# Altium PCB GridSeed_Rev04.PcbDoc (part 1 of 6) (continued)
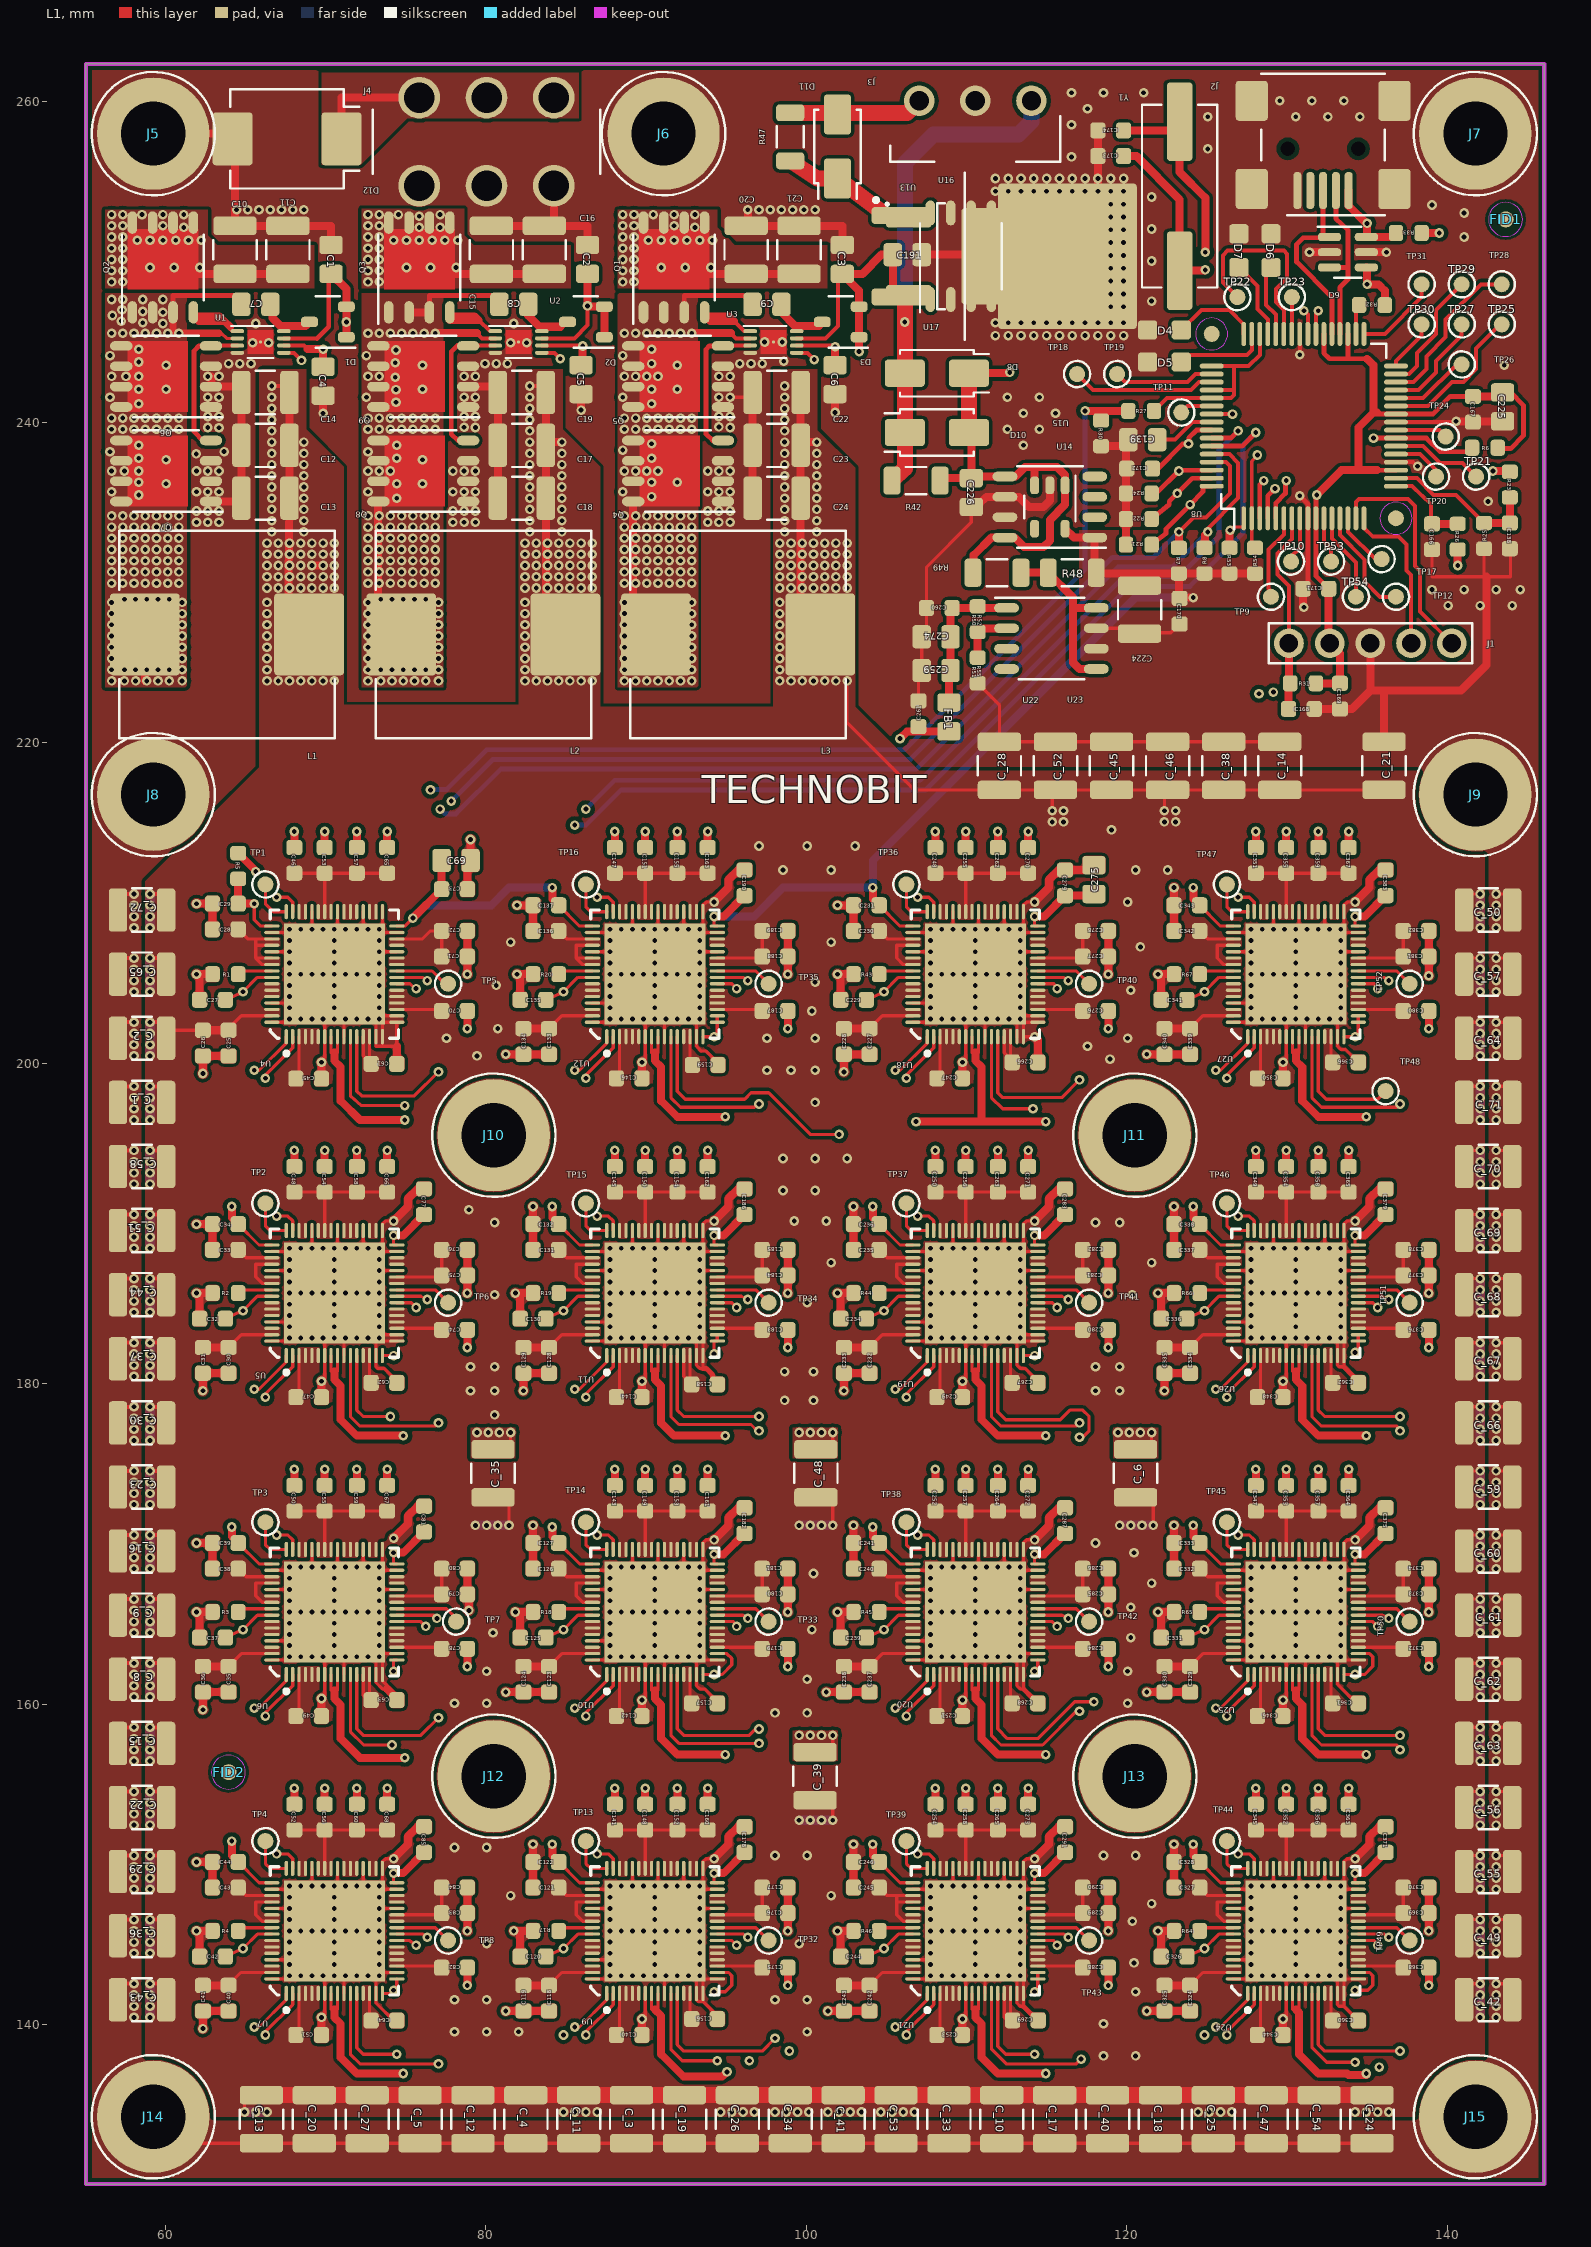
[diagram p0: L1 view]
## Design rules (kind name [scope] priority, off if disabled: settings) (continued)
PolygonConnect "Polygon Connect Style - L4 Square-rect thru-hole pad from global defaults" [IsPad And OnMultiLayer And (PadShape_BottomLayer = 'Rounded Rectangle') And (PadXSize_BottomLayer = PADYSize_BottomLayer) And (Pad_CornerRadius_BottomLayer = '0%') vs Layer = 'L4'] p35: connectstyle=Relief reliefconductorwidth=0.5 reliefentries=4 polygonreliefangle="90 Angle" airgapwidth=0.254
PolygonConnect "Polygon Connect Style - L3 Rect thru-hole pad from global defaults" [IsPad And OnMultiLayer And ((PadShape_MidLayer2 = 'Rectangular') Or (PadShape_MidLayer2 = 'Octagonal') Or (PadShape_MidLayer2 = 'Rounded Rectangle')) And (PadXSize_MidLayer2 <> PADYSize_MidLayer2) vs Layer = 'L3'] p36: connectstyle=Relief reliefconductorwidth=0.5 reliefentries=4 polygonreliefangle="90 Angle" airgapwidth=0.254
PolygonConnect "Polygon Connect Style - L3 Square-rect thru-hole pad from global defaults" [IsPad And OnMultiLayer And (PadShape_MidLayer2 = 'Rounded Rectangle') And (PadXSize_MidLayer2 = PADYSize_MidLayer2) And (Pad_CornerRadius_MidLayer2 = '0%') vs Layer = 'L3'] p37: connectstyle=Relief reliefconductorwidth=0.5 reliefentries=4 polygonreliefangle="90 Angle" airgapwidth=0.254
PolygonConnect "Polygon Connect Style - L2 Rect thru-hole pad from global defaults" [IsPad And OnMultiLayer And ((PadShape_MidLayer1 = 'Rectangular') Or (PadShape_MidLayer1 = 'Octagonal') Or (PadShape_MidLayer1 = 'Rounded Rectangle')) And (PadXSize_MidLayer1 <> PADYSize_MidLayer1) vs Layer = 'L2'] p38: connectstyle=Relief reliefconductorwidth=0.5 reliefentries=4 polygonreliefangle="90 Angle" airgapwidth=0.254
PolygonConnect "Polygon Connect Style - L2 Square-rect thru-hole pad from global defaults" [IsPad And OnMultiLayer And (PadShape_MidLayer1 = 'Rounded Rectangle') And (PadXSize_MidLayer1 = PADYSize_MidLayer1) And (Pad_CornerRadius_MidLayer1 = '0%') vs Layer = 'L2'] p39: connectstyle=Relief reliefconductorwidth=0.5 reliefentries=4 polygonreliefangle="90 Angle" airgapwidth=0.254
PolygonConnect "Polygon Connect Style - L1 Rect thru-hole pad from global defaults" [IsPad And OnMultiLayer And ((PadShape_TopLayer = 'Rectangular') Or (PadShape_TopLayer = 'Octagonal') Or (PadShape_TopLayer = 'Rounded Rectangle')) And (PadXSize_TopLayer <> PADYSize_TopLayer) vs Layer = 'L1'] p40: connectstyle=Relief reliefconductorwidth=0.5 reliefentries=4 polygonreliefangle="90 Angle" airgapwidth=0.254
PolygonConnect "Polygon Connect Style - L1 Square-rect thru-hole pad from global defaults" [IsPad And OnMultiLayer And (PadShape_TopLayer = 'Rounded Rectangle') And (PadXSize_TopLayer = PADYSize_TopLayer) And (Pad_CornerRadius_TopLayer = '0%') vs Layer = 'L1'] p41: connectstyle=Relief reliefconductorwidth=0.5 reliefentries=4 polygonreliefangle="90 Angle" airgapwidth=0.254
PolygonConnect "Polygon Connect Style - L4 Oval thru-hole pad from global defaults" [IsPad And OnMultiLayer And (PadShape_BottomLayer = 'Round') And (PadXSize_BottomLayer <> PADYSize_BottomLayer) vs Layer = 'L4'] p42: connectstyle=Relief reliefconductorwidth=0.5 reliefentries=4 polygonreliefangle="90 Angle" airgapwidth=0.254
PolygonConnect "Polygon Connect Style - L4 Round-oval thru-hole pad from global defaults" [IsPad And OnMultiLayer And (PadShape_BottomLayer = 'Rounded Rectangle') And (PadXSize_BottomLayer = PADYSize_BottomLayer) And (Pad_CornerRadius_BottomLayer = '100%') vs Layer = 'L4'] p43: connectstyle=Relief reliefconductorwidth=0.5 reliefentries=4 polygonreliefangle="90 Angle" airgapwidth=0.254
PolygonConnect "Polygon Connect Style - L3 Oval thru-hole pad from global defaults" [IsPad And OnMultiLayer And (PadShape_MidLayer2 = 'Round') And (PadXSize_MidLayer2 <> PADYSize_MidLayer2) vs Layer = 'L3'] p44: connectstyle=Relief reliefconductorwidth=0.5 reliefentries=4 polygonreliefangle="90 Angle" airgapwidth=0.254
PolygonConnect "Polygon Connect Style - L3 Round-oval thru-hole pad from global defaults" [IsPad And OnMultiLayer And (PadShape_MidLayer2 = 'Rounded Rectangle') And (PadXSize_MidLayer2 = PADYSize_MidLayer2) And (Pad_CornerRadius_MidLayer2 = '100%') vs Layer = 'L3'] p45: connectstyle=Relief reliefconductorwidth=0.5 reliefentries=4 polygonreliefangle="90 Angle" airgapwidth=0.254
PolygonConnect "Polygon Connect Style - L2 Oval thru-hole pad from global defaults" [IsPad And OnMultiLayer And (PadShape_MidLayer1 = 'Round') And (PadXSize_MidLayer1 <> PADYSize_MidLayer1) vs Layer = 'L2'] p46: connectstyle=Relief reliefconductorwidth=0.5 reliefentries=4 polygonreliefangle="90 Angle" airgapwidth=0.254
PolygonConnect "Polygon Connect Style - L2 Round-oval thru-hole pad from global defaults" [IsPad And OnMultiLayer And (PadShape_MidLayer1 = 'Rounded Rectangle') And (PadXSize_MidLayer1 = PADYSize_MidLayer1) And (Pad_CornerRadius_MidLayer1 = '100%') vs Layer = 'L2'] p47: connectstyle=Relief reliefconductorwidth=0.5 reliefentries=4 polygonreliefangle="90 Angle" airgapwidth=0.254
PolygonConnect "Polygon Connect Style - L1 Oval thru-hole pad from global defaults" [IsPad And OnMultiLayer And (PadShape_TopLayer = 'Round') And (PadXSize_TopLayer <> PADYSize_TopLayer) vs Layer = 'L1'] p48: connectstyle=Relief reliefconductorwidth=0.5 reliefentries=4 polygonreliefangle="90 Angle" airgapwidth=0.254
PolygonConnect "Polygon Connect Style - L1 Round-oval thru-hole pad from global defaults" [IsPad And OnMultiLayer And (PadShape_TopLayer = 'Rounded Rectangle') And (PadXSize_TopLayer = PADYSize_TopLayer) And (Pad_CornerRadius_TopLayer = '100%') vs Layer = 'L1'] p49: connectstyle=Relief reliefconductorwidth=0.5 reliefentries=4 polygonreliefangle="90 Angle" airgapwidth=0.254
PolygonConnect [All] p50: connectstyle=Relief reliefconductorwidth=0.254 reliefentries=4 polygonreliefangle="90 Angle" airgapwidth=0.254
RoutingLayers "'Default' PADS rule_3" [All] p1: top layer_v5=TRUE mid layer 1_v5=TRUE mid layer 2_v5=TRUE bottom layer_v5=TRUE
RoutingPriority "'Default' PADS rule_2" [All] p1: routingpriority=3
RoutingTopology "'Default' PADS rule" [All] p1: topology=Shortest
RoutingVias "'Default' PADS rule_4" [All] p1: holewidth=0.3 width=0.6 viastyle="Through Hole" minholewidth=0.3 minwidth=0.6 maxholewidth=0.3 maxwidth=0.6
SMDToCorner "'All on Layer' PADS rule_33" [OnLayer('L1') vs OnLayer('L1')] p1: distance=39370
SMDToCorner "'Default' PADS rule_17" [All] p2: distance=39370
SMDToPlane "'All on Layer' PADS rule_34" [OnLayer('L1') vs OnLayer('L1')] p1: distance=39370
SMDToPlane "'Default' PADS rule_18" [All] p2: distance=39370
SolderMaskExpansion [All] p1: expansion=0.102
StubLength "'Default' PADS rule_6" [All] p1: limit=25.4
Width "'All on Layer' PADS rule" [OnLayer('L1') vs OnLayer('L1')] p1: maxlimit=3 minlimit=0.2 preferedwidth=0.2
Width "'Default' PADS rule_14" [All] p2: maxlimit=3 minlimit=0.2 preferedwidth=0.3
22 further rules are at their usual default settings.

## Components (designator, comment, footprint, x,y, rotation, side; value= is the part's Value field where it differs from the comment)
C1 "C" SMD_0805_CAPC2012X145N 70.35,250.15 r270 top
C2 "C" SMD_0805_CAPC2012X145N 86.35,250.15 r270 top
C3 "C" SMD_0805_CAPC2012X145N 102.25,250.15 r270 top
C4 "C" SMD_0805_CAPC2012X145N 69.85,242.55 r270 top
C5 "C" SMD_0805_CAPC2012X145N 85.95,242.65 r270 top
C6 "C" SMD_0805_CAPC2012X145N 101.8,242.65 r270 top
C7 "C" SMD_0805_CAPC2012X145N 65.65,247.35 r180 top
C8 "C" SMD_0805_CAPC2012X145N 81.75,247.35 r180 top
C9 "C" SMD_0805_CAPC2012X145N 97.55,247.35 r180 top
C10 "C" SMD_1210_CAPC3225X270N 64.35,250.75 r270 top
C11 "C" SMD_1210_CAPC3225X270N 67.65,250.75 r270 top
C12 "C" SMD_1210_CAPC3225X279N 66.25,238.55 r0 top
C13 "C" SMD_1210_CAPC3225X279N 66.25,235.25 r0 top
C14 "C" SMD_1210_CAPC3225X279N 66.25,241.85 r0 top
C15 "C" SMD_1210_CAPC3225X270N 80.35,250.75 r270 top
C16 "C" SMD_1210_CAPC3225X270N 83.65,250.75 r270 top
C17 "C" SMD_1210_CAPC3225X279N 82.25,238.55 r0 top
C18 "C" SMD_1210_CAPC3225X279N 82.25,235.25 r0 top
C19 "C" SMD_1210_CAPC3225X279N 82.25,241.85 r0 top
C20 "C" SMD_1210_CAPC3225X270N 96.25,250.75 r90 top
C21 "C" SMD_1210_CAPC3225X270N 99.55,250.75 r90 top
C22 "C" SMD_1210_CAPC3225X279N 98.15,241.85 r0 top
C23 "C" SMD_1210_CAPC3225X279N 98.15,238.55 r0 top
C24 "C" SMD_1210_CAPC3225X279N 98.15,235.25 r0 top
C25 "C" SMD_0603_CAPC1608X95N 63.95,201.25 r90 top
C26 "C" SMD_0603_CAPC1608X95N 62.35,201.25 r90 top
C27 "C" SMD_0603_CAPC1608X95N 62.95,203.95 r0 top
C28 "C" SMD_0603_CAPC1608X95N 63.75,208.35 r0 top
C29 "C" SMD_0603_CAPC1608X95N 63.75,209.95 r0 top
C30 "C" SMD_0603_CAPC1608X95N 63.95,181.45 r90 top
C31 "C" SMD_0603_CAPC1608X95N 62.35,181.45 r90 top
C32 "C" SMD_0603_CAPC1608X95N 62.95,184.05 r0 top
C33 "C" SMD_0603_CAPC1608X95N 63.75,188.35 r0 top
C34 "C" SMD_0603_CAPC1608X95N 63.75,189.95 r0 top
C35 "C" SMD_0603_CAPC1608X95N 63.95,161.55 r90 top
C36 "C" SMD_0603_CAPC1608X95N 62.35,161.55 r90 top
C37 "C" SMD_0603_CAPC1608X95N 62.95,164.15 r0 top
C38 "C" SMD_0603_CAPC1608X95N 63.75,168.45 r0 top
C39 "C" SMD_0603_CAPC1608X95N 63.75,170.05 r0 top
C40 "C" SMD_0603_CAPC1608X95N 63.95,141.65 r90 top
C41 "C" SMD_0603_CAPC1608X95N 62.35,141.65 r90 top
C42 "C" SMD_0603_CAPC1608X95N 62.95,144.25 r0 top
C43 "C" SMD_0603_CAPC1608X95N 63.75,148.55 r0 top
C44 "C" SMD_0603_CAPC1608X95N 63.75,150.15 r0 top
C45 "C" SMD_0603_CAPC1608X95N 68.95,199.027 r180 top
C46 "C" SMD_0603_CAPC1608X95N 68.05,212.65 r270 top
C47 "C" SMD_0603_CAPC1608X95N 68.95,179.15 r180 top
C48 "C" SMD_0603_CAPC1608X95N 68.05,192.75 r270 top
C49 "C" SMD_0603_CAPC1608X95N 68.95,159.25 r180 top
C50 "C" SMD_0603_CAPC1608X95N 68.05,172.85 r270 top
C51 "C" SMD_0603_CAPC1608X95N 68.95,139.35 r180 top
C52 "C" SMD_0603_CAPC1608X95N 68.05,152.95 r270 top
C53 "C" SMD_0603_CAPC1608X95N 69.95,212.65 r270 top
C54 "C" SMD_0603_CAPC1608X95N 69.95,192.75 r270 top
C55 "C" SMD_0603_CAPC1608X95N 69.95,172.85 r270 top
C56 "C" SMD_0603_CAPC1608X95N 69.95,152.95 r270 top
C57 "C" SMD_0603_CAPC1608X95N 71.95,212.65 r270 top
C58 "C" SMD_0603_CAPC1608X95N 71.95,192.75 r270 top
C59 "C" SMD_0603_CAPC1608X95N 71.95,172.85 r270 top
C60 "C" SMD_0603_CAPC1608X95N 71.95,152.95 r270 top
C61 "C" SMD_0603_CAPC1608X95N 73.65,199.95 r180 top
C62 "C" SMD_0603_CAPC1608X95N 73.65,180.05 r180 top
C63 "C" SMD_0603_CAPC1608X95N 73.65,160.25 r180 top
C64 "C" SMD_0603_CAPC1608X95N 73.65,140.25 r180 top
C65 "C" SMD_0603_CAPC1608X95N 73.85,212.65 r270 top
C66 "C" SMD_0603_CAPC1608X95N 73.85,192.75 r270 top
C67 "C" SMD_0603_CAPC1608X95N 73.85,172.85 r270 top
C68 "C" SMD_0603_CAPC1608X95N 73.85,152.95 r270 top
C69 "C" SMD_0805_CAPC2012X145N 78.15,212.65 r0 top
C70 "C" SMD_0603_CAPC1608X95N 78.05,203.25 r180 top
C71 "C" SMD_0603_CAPC1608X95N 78.05,206.65 r180 top
C72 "C" SMD_0603_CAPC1608X95N 78.05,208.25 r180 top
C73 "C" SMD_0603_CAPC1608X95N 78.05,210.85 r180 top
C74 "C" SMD_0603_CAPC1608X95N 78.05,183.35 r180 top
C75 "C" SMD_0603_CAPC1608X95N 78.05,186.75 r180 top
C76 "C" SMD_0603_CAPC1608X95N 78.05,188.35 r180 top
C77 "C" SMD_0603_CAPC1608X95N 76.15,191.35 r270 top
C78 "C" SMD_0603_CAPC1608X95N 78.05,163.45 r180 top
C79 "C" SMD_0603_CAPC1608X95N 78.05,166.85 r180 top
C80 "C" SMD_0603_CAPC1608X95N 78.05,168.45 r180 top
C81 "C" SMD_0603_CAPC1608X95N 76.15,171.55 r270 top
C82 "C" SMD_0603_CAPC1608X95N 78.05,143.55 r180 top
C83 "C" SMD_0603_CAPC1608X95N 78.05,146.95 r180 top
C84 "C" SMD_0603_CAPC1608X95N 78.05,148.55 r180 top
C85 "C" SMD_0603_CAPC1608X95N 76.15,151.55 r270 top
C118 "C" SMD_0603_CAPC1608X95N 83.95,141.65 r90 top
C119 "C" SMD_0603_CAPC1608X95N 82.35,141.65 r90 top
C120 "C" SMD_0603_CAPC1608X95N 82.95,144.25 r0 top
C121 "C" SMD_0603_CAPC1608X95N 83.75,148.55 r0 top
C122 "C" SMD_0603_CAPC1608X95N 83.75,150.15 r0 top
C123 "C" SMD_0603_CAPC1608X95N 83.95,161.55 r90 top
C124 "C" SMD_0603_CAPC1608X95N 82.35,161.55 r90 top
C125 "C" SMD_0603_CAPC1608X95N 82.95,164.15 r0 top
C126 "C" SMD_0603_CAPC1608X95N 83.75,168.45 r0 top
C127 "C" SMD_0603_CAPC1608X95N 83.75,170.05 r0 top
C128 "C" SMD_0603_CAPC1608X95N 83.95,181.45 r90 top
C129 "C" SMD_0603_CAPC1608X95N 82.35,181.45 r90 top
C130 "C" SMD_0603_CAPC1608X95N 82.95,184.05 r0 top
C131 "C" SMD_0603_CAPC1608X95N 83.75,188.35 r0 top
C132 "C" SMD_0603_CAPC1608X95N 83.75,189.95 r0 top
C133 "C" SMD_0603_CAPC1608X95N 83.95,201.35 r90 top
C134 "C" SMD_0603_CAPC1608X95N 82.35,201.35 r90 top
C135 "C" SMD_0603_CAPC1608X95N 82.95,203.95 r0 top
C136 "C" SMD_0603_CAPC1608X95N 83.75,208.25 r0 top
C137 "C" SMD_0603_CAPC1608X95N 83.75,209.85 r0 top
C138 "C" SMD_0603_CAPC1608X95N 143.9,232.9 r270 top
C139 "C" SMD_0805_CAPC2012X145N 121,238.9 r180 top
C140 "C" SMD_0603_CAPC1608X95N 88.95,139.35 r180 top
C141 "C" SMD_0603_CAPC1608X95N 88.05,152.95 r270 top
C142 "C" SMD_0603_CAPC1608X95N 88.95,159.25 r180 top
C143 "C" SMD_0603_CAPC1608X95N 88.05,172.85 r270 top
C144 "C" SMD_0603_CAPC1608X95N 88.95,179.15 r180 top
C145 "C" SMD_0603_CAPC1608X95N 88.05,192.75 r270 top
C146 "C" SMD_0603_CAPC1608X95N 88.95,199.05 r180 top
C147 "C" SMD_0603_CAPC1608X95N 88.05,212.65 r270 top
C148 "C" SMD_0603_CAPC1608X95N 89.95,152.95 r270 top
C149 "C" SMD_0603_CAPC1608X95N 89.95,172.85 r270 top
C150 "C" SMD_0603_CAPC1608X95N 89.95,192.75 r270 top
C151 "C" SMD_0603_CAPC1608X95N 89.95,212.65 r270 top
C152 "C" SMD_0603_CAPC1608X95N 91.95,152.95 r270 top
C153 "C" SMD_0603_CAPC1608X95N 91.95,172.85 r270 top
C154 "C" SMD_0603_CAPC1608X95N 91.95,192.75 r270 top
C155 "C" SMD_0603_CAPC1608X95N 91.95,212.65 r270 top
C156 "C" SMD_0603_CAPC1608X95N 93.65,140.35 r180 top
C157 "C" SMD_0603_CAPC1608X95N 93.65,160.05 r180 top
C158 "C" SMD_0603_CAPC1608X95N 93.65,179.95 r180 top
C159 "C" SMD_0603_CAPC1608X95N 93.692,199.878 r180 top
C160 "C" SMD_0603_CAPC1608X95N 93.85,152.95 r270 top
C161 "C" SMD_0603_CAPC1608X95N 93.85,172.85 r270 top
C162 "C" SMD_0603_CAPC1608X95N 93.85,192.75 r270 top
C163 "C" SMD_0603_CAPC1608X95N 93.85,212.65 r270 top
C166 "C" SMD_0603_CAPC1608X95N 139.05,232.85 r270 top
C167 "C" SMD_0603_CAPC1608X95N 141.6,240.8 r270 top
C168 "C" SMD_0603_CAPC1608X95N 130.9,222.1 r0 top
C169 "C" SMD_0603_CAPC1608X95N 133.3,222.9 r270 top
C170 "C" SMD_0603_CAPC1608X95N 123.3,228.2 r270 top
C171 "C" SMD_0603_CAPC1608X95N 131.8,229.6 r180 top
C172 "C" SMD_0603_CAPC1608X95N 120.8,237.1 r180 top
C173 "C" SMD_0603_CAPC1608X95N 119,256.6 r180 top
C174 "C" SMD_0603_CAPC1608X95N 119,258.2 r180 top
C175 "C" SMD_0603_CAPC1608X95N 98.05,143.55 r180 top
C176 "C" SMD_0603_CAPC1608X95N 98.05,146.95 r180 top
C177 "C" SMD_0603_CAPC1608X95N 98.05,148.55 r180 top
C178 "C" SMD_0603_CAPC1608X95N 96.15,151.55 r270 top
C179 "C" SMD_0603_CAPC1608X95N 98.05,163.45 r180 top
C180 "C" SMD_0603_CAPC1608X95N 98.05,166.85 r180 top
C181 "C" SMD_0603_CAPC1608X95N 98.05,168.45 r180 top
C182 "C" SMD_0603_CAPC1608X95N 96.15,171.45 r270 top
C183 "C" SMD_0603_CAPC1608X95N 98.05,183.35 r180 top
C184 "C" SMD_0603_CAPC1608X95N 98.05,186.75 r180 top
C185 "C" SMD_0603_CAPC1608X95N 98.05,188.35 r180 top
C186 "C" SMD_0603_CAPC1608X95N 96.15,191.35 r270 top
C187 "C" SMD_0603_CAPC1608X95N 98.05,203.25 r180 top
C188 "C" SMD_0603_CAPC1608X95N 98.05,206.65 r180 top
C189 "C" SMD_0603_CAPC1608X95N 98.05,208.25 r180 top
C190 "C" SMD_0603_CAPC1608X95N 96.15,211.25 r270 top
C191 "C" SMD_0805_CAPC2012X145N 106.3,250.45 r0 top
C224 "C" SMD_1210_CAPC3225X279N 120.8,228.3 r90 top
C225 "C" SMD_0805_CAPC2012X145N 143.45,240.95 r270 top
C226 "C" SMD_0805_CAPC2012X145N 110.3,235.6 r270 top
C227 "C" SMD_0603_CAPC1608X95N 103.95,201.35 r90 top
C228 "C" SMD_0603_CAPC1608X95N 102.35,201.35 r90 top
C229 "C" SMD_0603_CAPC1608X95N 102.95,203.95 r0 top
C230 "C" SMD_0603_CAPC1608X95N 103.75,208.25 r0 top
C231 "C" SMD_0603_CAPC1608X95N 103.75,209.85 r0 top
C232 "C" SMD_0603_CAPC1608X95N 103.95,181.45 r90 top
C233 "C" SMD_0603_CAPC1608X95N 102.35,181.45 r90 top
C234 "C" SMD_0603_CAPC1608X95N 102.95,184.05 r0 top
C235 "C" SMD_0603_CAPC1608X95N 103.75,188.35 r0 top
C236 "C" SMD_0603_CAPC1608X95N 103.75,189.95 r0 top
C237 "C" SMD_0603_CAPC1608X95N 103.95,161.55 r90 top
C238 "C" SMD_0603_CAPC1608X95N 102.35,161.55 r90 top
C239 "C" SMD_0603_CAPC1608X95N 102.95,164.15 r0 top
C240 "C" SMD_0603_CAPC1608X95N 103.75,168.45 r0 top
C241 "C" SMD_0603_CAPC1608X95N 103.75,170.05 r0 top
C242 "C" SMD_0603_CAPC1608X95N 103.95,141.65 r90 top
C243 "C" SMD_0603_CAPC1608X95N 102.35,141.65 r90 top
C244 "C" SMD_0603_CAPC1608X95N 102.95,144.25 r0 top
C245 "C" SMD_0603_CAPC1608X95N 103.75,148.55 r0 top
C246 "C" SMD_0603_CAPC1608X95N 103.75,150.15 r0 top
C247 "C" SMD_0603_CAPC1608X95N 108.95,199.05 r180 top
C248 "C" SMD_0603_CAPC1608X95N 108.05,212.65 r270 top
C249 "C" SMD_0603_CAPC1608X95N 108.95,179.15 r180 top
C250 "C" SMD_0603_CAPC1608X95N 108.05,192.75 r270 top
C251 "C" SMD_0603_CAPC1608X95N 108.95,159.25 r180 top
C252 "C" SMD_0603_CAPC1608X95N 108.05,172.85 r270 top
C253 "C" SMD_0603_CAPC1608X95N 108.95,139.35 r180 top
C254 "C" SMD_0603_CAPC1608X95N 108.05,152.95 r270 top
C255 "C" SMD_0603_CAPC1608X95N 109.95,212.65 r270 top
C256 "C" SMD_0603_CAPC1608X95N 109.95,192.75 r270 top
C257 "C" SMD_0603_CAPC1608X95N 109.95,172.85 r270 top
C258 "C" SMD_0603_CAPC1608X95N 109.95,152.95 r270 top
C259 "C" SMD_0805_CAPC2012X145N 108.1,224.5 r180 top
C260 "C" SMD_0603_CAPC1608X95N 108.3,228.4 r180 top
C261 "C" SMD_0603_CAPC1608X95N 107,221.8 r90 top
C262 "C" SMD_0603_CAPC1608X95N 111.95,212.65 r270 top
C263 "C" SMD_0603_CAPC1608X95N 111.95,192.75 r270 top
C264 "C" SMD_0603_CAPC1608X95N 111.95,172.85 r270 top
C265 "C" SMD_0603_CAPC1608X95N 111.95,152.95 r270 top
C266 "C" SMD_0603_CAPC1608X95N 113.65,200.05 r180 top
C267 "C" SMD_0603_CAPC1608X95N 113.65,180.05 r180 top
C268 "C" SMD_0603_CAPC1608X95N 113.65,160.05 r180 top
C269 "C" SMD_0603_CAPC1608X95N 113.674,140.269 r180 top
C270 "C" SMD_0603_CAPC1608X95N 113.85,212.65 r270 top
C271 "C" SMD_0603_CAPC1608X95N 113.85,192.75 r270 top
C272 "C" SMD_0603_CAPC1608X95N 113.85,172.85 r270 top
C273 "C" SMD_0603_CAPC1608X95N 113.85,152.95 r270 top
C274 "C" SMD_0805_CAPC2012X145N 108.1,226.6 r180 top
C275 "C" SMD_0805_CAPC2012X145N 117.95,211.45 r90 top
C276 "C" SMD_0603_CAPC1608X95N 118.05,203.25 r180 top
C277 "C" SMD_0603_CAPC1608X95N 118.05,206.65 r180 top
C278 "C" SMD_0603_CAPC1608X95N 118.05,208.25 r180 top
C279 "C" SMD_0603_CAPC1608X95N 116.15,211.25 r270 top
C280 "C" SMD_0603_CAPC1608X95N 118.05,183.35 r180 top
C281 "C" SMD_0603_CAPC1608X95N 118.05,186.75 r180 top
C282 "C" SMD_0603_CAPC1608X95N 118.05,188.35 r180 top
C283 "C" SMD_0603_CAPC1608X95N 116.15,191.35 r270 top
C284 "C" SMD_0603_CAPC1608X95N 118.05,163.45 r180 top
C285 "C" SMD_0603_CAPC1608X95N 118.05,166.85 r180 top
C286 "C" SMD_0603_CAPC1608X95N 118.05,168.45 r180 top
C287 "C" SMD_0603_CAPC1608X95N 116.15,171.45 r270 top
C288 "C" SMD_0603_CAPC1608X95N 118.05,143.55 r180 top
C289 "C" SMD_0603_CAPC1608X95N 118.05,146.95 r180 top
C290 "C" SMD_0603_CAPC1608X95N 118.05,148.55 r180 top
C291 "C" SMD_0603_CAPC1608X95N 116.15,151.55 r270 top
C324 "C" SMD_0603_CAPC1608X95N 123.95,141.65 r90 top
C325 "C" SMD_0603_CAPC1608X95N 122.35,141.65 r90 top
C326 "C" SMD_0603_CAPC1608X95N 122.95,144.25 r0 top
C327 "C" SMD_0603_CAPC1608X95N 123.75,148.55 r0 top
C328 "C" SMD_0603_CAPC1608X95N 123.75,150.15 r0 top
C329 "C" SMD_0603_CAPC1608X95N 123.95,161.55 r90 top
C330 "C" SMD_0603_CAPC1608X95N 122.35,161.55 r90 top
C331 "C" SMD_0603_CAPC1608X95N 122.95,164.15 r0 top
C332 "C" SMD_0603_CAPC1608X95N 123.75,168.45 r0 top
C333 "C" SMD_0603_CAPC1608X95N 123.75,170.05 r0 top
C334 "C" SMD_0603_CAPC1608X95N 123.95,181.45 r90 top
C335 "C" SMD_0603_CAPC1608X95N 122.35,181.45 r90 top
C336 "C" SMD_0603_CAPC1608X95N 122.95,184.05 r0 top
C337 "C" SMD_0603_CAPC1608X95N 123.75,188.35 r0 top
C338 "C" SMD_0603_CAPC1608X95N 123.75,189.95 r0 top
C339 "C" SMD_0603_CAPC1608X95N 123.95,201.35 r90 top
C340 "C" SMD_0603_CAPC1608X95N 122.35,201.35 r90 top
C341 "C" SMD_0603_CAPC1608X95N 122.95,203.95 r0 top
C342 "C" SMD_0603_CAPC1608X95N 123.75,208.25 r0 top
C343 "C" SMD_0603_CAPC1608X95N 123.75,209.85 r0 top
C344 "C" SMD_0603_CAPC1608X95N 128.95,139.35 r180 top
C345 "C" SMD_0603_CAPC1608X95N 128.05,152.95 r270 top
C346 "C" SMD_0603_CAPC1608X95N 128.95,159.25 r180 top
C347 "C" SMD_0603_CAPC1608X95N 128.05,172.85 r270 top
C348 "C" SMD_0603_CAPC1608X95N 128.95,179.15 r180 top
C349 "C" SMD_0603_CAPC1608X95N 128.05,192.75 r270 top
C350 "C" SMD_0603_CAPC1608X95N 128.95,199.05 r180 top
C351 "C" SMD_0603_CAPC1608X95N 128.05,212.65 r270 top
C352 "C" SMD_0603_CAPC1608X95N 129.95,152.95 r270 top
C353 "C" SMD_0603_CAPC1608X95N 129.95,172.85 r270 top
C354 "C" SMD_0603_CAPC1608X95N 129.95,192.75 r270 top
C355 "C" SMD_0603_CAPC1608X95N 129.95,212.65 r270 top
C356 "C" SMD_0603_CAPC1608X95N 131.95,152.95 r270 top
C357 "C" SMD_0603_CAPC1608X95N 131.95,172.85 r270 top
C358 "C" SMD_0603_CAPC1608X95N 131.95,192.75 r270 top
C359 "C" SMD_0603_CAPC1608X95N 131.95,212.65 r270 top
C360 "C" SMD_0603_CAPC1608X95N 133.65,140.25 r180 top
C361 "C" SMD_0603_CAPC1608X95N 133.65,160.05 r180 top
C362 "C" SMD_0603_CAPC1608X95N 133.65,180.05 r180 top
C363 "C" SMD_0603_CAPC1608X95N 133.85,152.95 r270 top
C364 "C" SMD_0603_CAPC1608X95N 133.85,172.85 r270 top
C365 "C" SMD_0603_CAPC1608X95N 133.85,192.75 r270 top
C366 "C" SMD_0603_CAPC1608X95N 133.65,200.05 r180 top
C367 "C" SMD_0603_CAPC1608X95N 133.85,212.65 r270 top
C368 "C" SMD_0603_CAPC1608X95N 138.05,143.55 r180 top
C369 "C" SMD_0603_CAPC1608X95N 138.05,146.95 r180 top
C370 "C" SMD_0603_CAPC1608X95N 138.05,148.55 r180 top
C371 "C" SMD_0603_CAPC1608X95N 136.15,151.55 r270 top
C372 "C" SMD_0603_CAPC1608X95N 138.05,163.45 r180 top
C373 "C" SMD_0603_CAPC1608X95N 138.05,166.85 r180 top
C374 "C" SMD_0603_CAPC1608X95N 138.05,168.45 r180 top
C375 "C" SMD_0603_CAPC1608X95N 136.15,171.45 r270 top
C376 "C" SMD_0603_CAPC1608X95N 138.05,183.35 r180 top
C377 "C" SMD_0603_CAPC1608X95N 138.05,186.75 r180 top
C378 "C" SMD_0603_CAPC1608X95N 138.05,188.35 r180 top
C379 "C" SMD_0603_CAPC1608X95N 136.15,191.35 r270 top
C380 "C" SMD_0603_CAPC1608X95N 138.05,203.25 r180 top
C381 "C" SMD_0603_CAPC1608X95N 138.05,206.65 r180 top
C382 "C" SMD_0603_CAPC1608X95N 138.05,208.25 r180 top
C383 "C" SMD_0603_CAPC1608X95N 136.15,211.25 r270 top
C_1 "C" SMD_1210_CAPC3225X279N 58.55,197.55 r180 top
C_2 "C" SMD_1210_CAPC3225X279N 58.55,201.55 r180 top
C_3 "C" SMD_1210_CAPC3225X279N 89.1,134.1 r270 top
C_4 "C" SMD_1210_CAPC3225X279N 82.5,134.1 r270 top
C_5 "C" SMD_1210_CAPC3225X279N 75.9,134.1 r270 top
C_6 "C" SMD_1210_CAPC3225X279N 120.55,174.4 r90 top
C_8 "C" SMD_1210_CAPC3225X279N 58.55,161.55 r180 top
C_9 "C" SMD_1210_CAPC3225X279N 58.55,165.55 r180 top
C_10 "C" SMD_1210_CAPC3225X279N 112.2,134.1 r270 top
C_11 "C" SMD_1210_CAPC3225X279N 85.8,134.1 r270 top
C_12 "C" SMD_1210_CAPC3225X279N 79.2,134.1 r270 top
C_13 "C" SMD_1210_CAPC3225X279N 66,134.1 r270 top
C_14 "C" SMD_1210_CAPC3225X279N 129.55,218.55 r90 top
C_15 "C" SMD_1210_CAPC3225X279N 58.55,157.55 r180 top
C_16 "C" SMD_1210_CAPC3225X279N 58.55,169.55 r180 top
C_17 "C" SMD_1210_CAPC3225X279N 115.5,134.1 r270 top
C_18 "C" SMD_1210_CAPC3225X279N 122.1,134.1 r270 top
C_19 "C" SMD_1210_CAPC3225X279N 92.4,134.1 r270 top
C_20 "C" SMD_1210_CAPC3225X279N 69.3,134.1 r270 top
C_21 "C" SMD_1210_CAPC3225X279N 136.05,218.55 r90 top
C_22 "C" SMD_1210_CAPC3225X279N 58.55,153.55 r180 top
C_23 "C" SMD_1210_CAPC3225X279N 58.55,173.55 r180 top
C_24 "C" SMD_1210_CAPC3225X279N 135.3,134.1 r270 top
C_25 "C" SMD_1210_CAPC3225X279N 125.4,134.1 r270 top
C_26 "C" SMD_1210_CAPC3225X279N 95.7,134.1 r270 top
C_27 "C" SMD_1210_CAPC3225X279N 72.6,134.1 r270 top
C_28 "C" SMD_1210_CAPC3225X279N 112.05,218.55 r90 top
C_29 "C" SMD_1210_CAPC3225X279N 58.55,149.55 r180 top
C_30 "C" SMD_1210_CAPC3225X279N 58.55,177.55 r180 top
C_33 "C" SMD_1210_CAPC3225X279N 108.9,134.1 r270 top
C_34 "C" SMD_1210_CAPC3225X279N 99,134.1 r270 top
C_35 "C" SMD_1210_CAPC3225X279N 80.45,174.4 r90 top
C_36 "C" SMD_1210_CAPC3225X279N 58.55,145.55 r180 top
C_37 "C" SMD_1210_CAPC3225X279N 58.55,181.55 r180 top
C_38 "C" SMD_1210_CAPC3225X279N 126.05,218.55 r90 top
C_39 "C" SMD_1210_CAPC3225X279N 100.55,155.5 r90 top
C_40 "C" SMD_1210_CAPC3225X279N 118.8,134.1 r270 top
C_41 "C" SMD_1210_CAPC3225X279N 102.3,134.1 r270 top
C_42 "C" SMD_1210_CAPC3225X279N 142.55,141.55 r0 top
C_43 "C" SMD_1210_CAPC3225X279N 58.55,141.55 r180 top
C_44 "C" SMD_1210_CAPC3225X279N 58.55,185.55 r180 top
C_45 "C" SMD_1210_CAPC3225X279N 119.05,218.55 r90 top
C_46 "C" SMD_1210_CAPC3225X279N 122.55,218.55 r90 top
C_47 "C" SMD_1210_CAPC3225X279N 128.7,134.1 r270 top
C_48 "C" SMD_1210_CAPC3225X279N 100.6,174.4 r90 top
C_49 "C" SMD_1210_CAPC3225X279N 142.55,145.55 r0 top
C_50 "C" SMD_1210_CAPC3225X279N 142.55,209.55 r0 top
C_51 "C" SMD_1210_CAPC3225X279N 58.55,189.55 r180 top
C_52 "C" SMD_1210_CAPC3225X279N 115.55,218.55 r90 top
C_53 "C" SMD_1210_CAPC3225X279N 105.6,134.1 r270 top
C_54 "C" SMD_1210_CAPC3225X279N 132,134.1 r270 top
C_55 "C" SMD_1210_CAPC3225X279N 142.55,149.55 r0 top
C_56 "C" SMD_1210_CAPC3225X279N 142.55,153.55 r0 top
C_57 "C" SMD_1210_CAPC3225X279N 142.55,205.55 r0 top
C_58 "C" SMD_1210_CAPC3225X279N 58.55,193.55 r180 top
C_59 "C" SMD_1210_CAPC3225X279N 142.55,173.55 r0 top
C_60 "C" SMD_1210_CAPC3225X279N 142.55,169.55 r0 top
C_61 "C" SMD_1210_CAPC3225X279N 142.55,165.55 r0 top
C_62 "C" SMD_1210_CAPC3225X279N 142.55,161.55 r0 top
C_63 "C" SMD_1210_CAPC3225X279N 142.55,157.55 r0 top
C_64 "C" SMD_1210_CAPC3225X279N 142.55,201.55 r0 top
C_65 "C" SMD_1210_CAPC3225X279N 58.55,205.55 r180 top
C_66 "C" SMD_1210_CAPC3225X279N 142.55,177.55 r0 top
C_67 "C" SMD_1210_CAPC3225X279N 142.55,181.55 r0 top
C_68 "C" SMD_1210_CAPC3225X279N 142.55,185.55 r0 top
C_69 "C" SMD_1210_CAPC3225X279N 142.55,189.55 r0 top
C_70 "C" SMD_1210_CAPC3225X279N 142.55,193.55 r0 top
C_71 "C" SMD_1210_CAPC3225X279N 142.55,197.55 r0 top
C_72 "C" SMD_1210_CAPC3225X279N 58.55,209.55 r180 top
D1 "D_STKY_DUAL_A1A2CC3" SMD_SOT23_SOT95P240X120-3N 70.15,246.25 r180 top
D2 "D_STKY_DUAL_A1A2CC3" SMD_SOT23_SOT95P240X120-3N 86.25,246.25 r180 top
D3 "D_STKY_DUAL_A1A2CC3" SMD_SOT23_SOT95P240X120-3N 102.15,246.25 r180 top
D4 "Red SML210VT ROHM" SMD_0805_LED2012X100N 122.35,245.75 r0 top
D5 "Green 	SML210MT ROHM" SMD_0805_LED2012X100N 122.35,243.75 r0 top
D6 "Yellow SML210YT ROHM" SMD_0805_LED2012X100N 129,250.7 r270 top
D7 "Orange 	SML210DT ROHM" SMD_0805_LED2012X100N 127,250.7 r270 top
D8 "D_STKY" SMD_DO214AC_SMA 108.15,243.05 r180 top
D9 "D_TVS_QUAD_C1A2C3C4A5C6" SMD_SOT457_SOT95P275X110-6N 133.8,250.6 r0 top
D10 "D_STKY" SMD_DO214AC_SMA 108.15,239.35 r0 top
D11 "D_STKY" SMD_DO214AC_SMA 101.95,257.2 r90 top
D12 "D_TVS_UNI" SMD_DO214AC_SMC 67.6,257.675 r180 top
FB1 "L_FERRITE_BEAD" SMD_0805_INDC2012X105N 108.9,221.6 r270 top
FID1 "FIDUCIAL" FID100X200 143.65,252.65 r0 top
FID2 "FIDUCIAL" FID100X200 63.95,155.75 r0 top
J1 "CON_5PINS" PTH_HDRV05W64P254_1X05 135.2,226.2 r0 top
J2 "CON_USB_MINI_1" SMD_CON-CVILUX-CU04-SCM15B0 132.25,257.05 r180 top
J3 "CON_3PINS" PTH_CON_HD-351-3P 110.55,260.05 r180 top
J4 "CON_2ROWS_6PINS_1" PTH_CON_WR-MRC4-6P 80.05,257.5 r0 top
J5 "CON_1PIN" PTH_MTG400_700 59.25,258 r0 top
J6 "CON_1PIN" PTH_MTG400_700 91.1,258 r0 top
J7 "CON_1PIN" PTH_MTG400_700 141.75,258 r0 top
J8 "CON_1PIN" PTH_MTG400_700 59.25,216.75 r0 top
J9 "CON_1PIN" PTH_MTG400_700 141.75,216.75 r0 top
J10 "CON_1PIN" PTH_MTG400_700 80.5,195.5 r90 top
J11 "CON_1PIN" PTH_MTG400_700 120.5,195.5 r90 top
J12 "CON_1PIN" PTH_MTG400_700 80.5,155.5 r90 top
J13 "CON_1PIN" PTH_MTG400_700 120.5,155.5 r90 top
J14 "CON_1PIN" PTH_MTG400_700 59.25,134.25 r90 top
J15 "CON_1PIN" PTH_MTG400_700 141.75,134.25 r0 top
L1 "SLC1480-201MLD" SMT_INDM135130X800N 63.85,226.75 r0 top
L2 "SLC1480-201MLD" SMT_INDM135130X800N 79.85,226.75 r0 top
L3 "SLC1480-201MLD" SMT_INDM135130X800N 95.75,226.75 r0 top
Q1 "MOS_N_D1_S1S2S3G4D5D6D7D8" SMD_SOIC127P600X110-9AN 91.75,249.65 r90 top
Q2 "MOS_N_D1_S1S2S3G4D5D6D7D8" SMD_SOIC127P600X110-9AN 59.85,249.65 r90 top
Q3 "MOS_N_D1_S1S2S3G4D5D6D7D8" SMD_SOIC127P600X110-9AN 75.85,249.65 r90 top
Q4 "MOS_N_D1_S1S2S3G4D5D6D7D8" SMD_SOIC127P600X110-9AN 92,236.95 r180 top
Q5 "MOS_N_D1_S1S2S3G4D5D6D7D8" SMD_SOIC127P600X110-9AN 92,242.85 r180 top
Q6 "MOS_N_D1_S1S2S3G4D5D6D7D8" SMD_SOIC127P600X110-9AN 60.05,242.85 r180 top
Q7 "MOS_N_D1_S1S2S3G4D5D6D7D8" SMD_SOIC127P600X110-9AN 60.05,236.95 r180 top
Q8 "MOS_N_D1_S1S2S3G4D5D6D7D8" SMD_SOIC127P600X110-9AN 76.1,236.95 r180 top
Q9 "MOS_N_D1_S1S2S3G4D5D6D7D8" SMD_SOIC127P600X110-9AN 76.1,242.85 r180 top
R1 "R" SMD_0603_RESC1608X55N 63.75,205.55 r0 top
R2 "R" SMD_0603_RESC1608X55N 63.75,185.65 r0 top
R3 "R" SMD_0603_RESC1608X55N 63.75,165.75 r0 top
R4 "R" SMD_0603_RESC1608X55N 63.75,145.85 r0 top
R5 "R" SMD_0603_RESC1608X55N 64.55,212.3 r270 top
R6 "R" SMD_0603_RESC1608X55N 142.35,238.4 r0 top
R7 "R" SMD_0603_RESC1608X55N 123.25,231.35 r270 top
R8 "R" SMD_0603_RESC1608X55N 124.85,231.35 r90 top
R17 "R" SMD_0603_RESC1608X55N 83.75,145.85 r180 top
R18 "R" SMD_0603_RESC1608X55N 83.75,165.75 r0 top
R19 "R" SMD_0603_RESC1608X55N 83.75,185.65 r0 top
R20 "R" SMD_0603_RESC1608X55N 83.75,205.55 r0 top
R21 "R" SMD_0603_RESC1608X55N 120.75,232.35 r180 top
R22 "R" SMD_0603_RESC1608X55N 120.75,233.95 r180 top
R23 "R" SMD_0603_RESC1608X55N 143.9,236.1 r270 top
R24 "R" SMD_0603_RESC1608X55N 120.75,235.55 r180 top
R25 "R" SMD_0603_RESC1608X55N 142.3,232.9 r90 top
R26 "R" SMD_0603_RESC1608X55N 140.65,232.85 r270 top
R27 "R" SMD_0603_RESC1608X55N 120.9,240.7 r0 top
R30 "R" SMD_0603_RESC1608X55N 118.4,239.3 r270 top
R31 "R" SMD_0603_RESC1608X55N 131,223.7 r0 top
R32 "R" SMD_0603_RESC1608X55N 135.3,247.3 r180 top